# Altium PCB PCB5.PcbDoc (part 10 of 16)
Units mil, origin at the board's own origin, x right, y up, seen from the top; angles counter-clockwise.
Board outline 9210.27 x 4350.4 mil, 4 copper layers (Top Layer, Layer 1, Layer 2, Bottom Layer), stack 23.756 mil thick; 1550 components, 1731 nets, 5196 pads, 1890 vias.
Unrouted connection lines stored in the file: 2462.
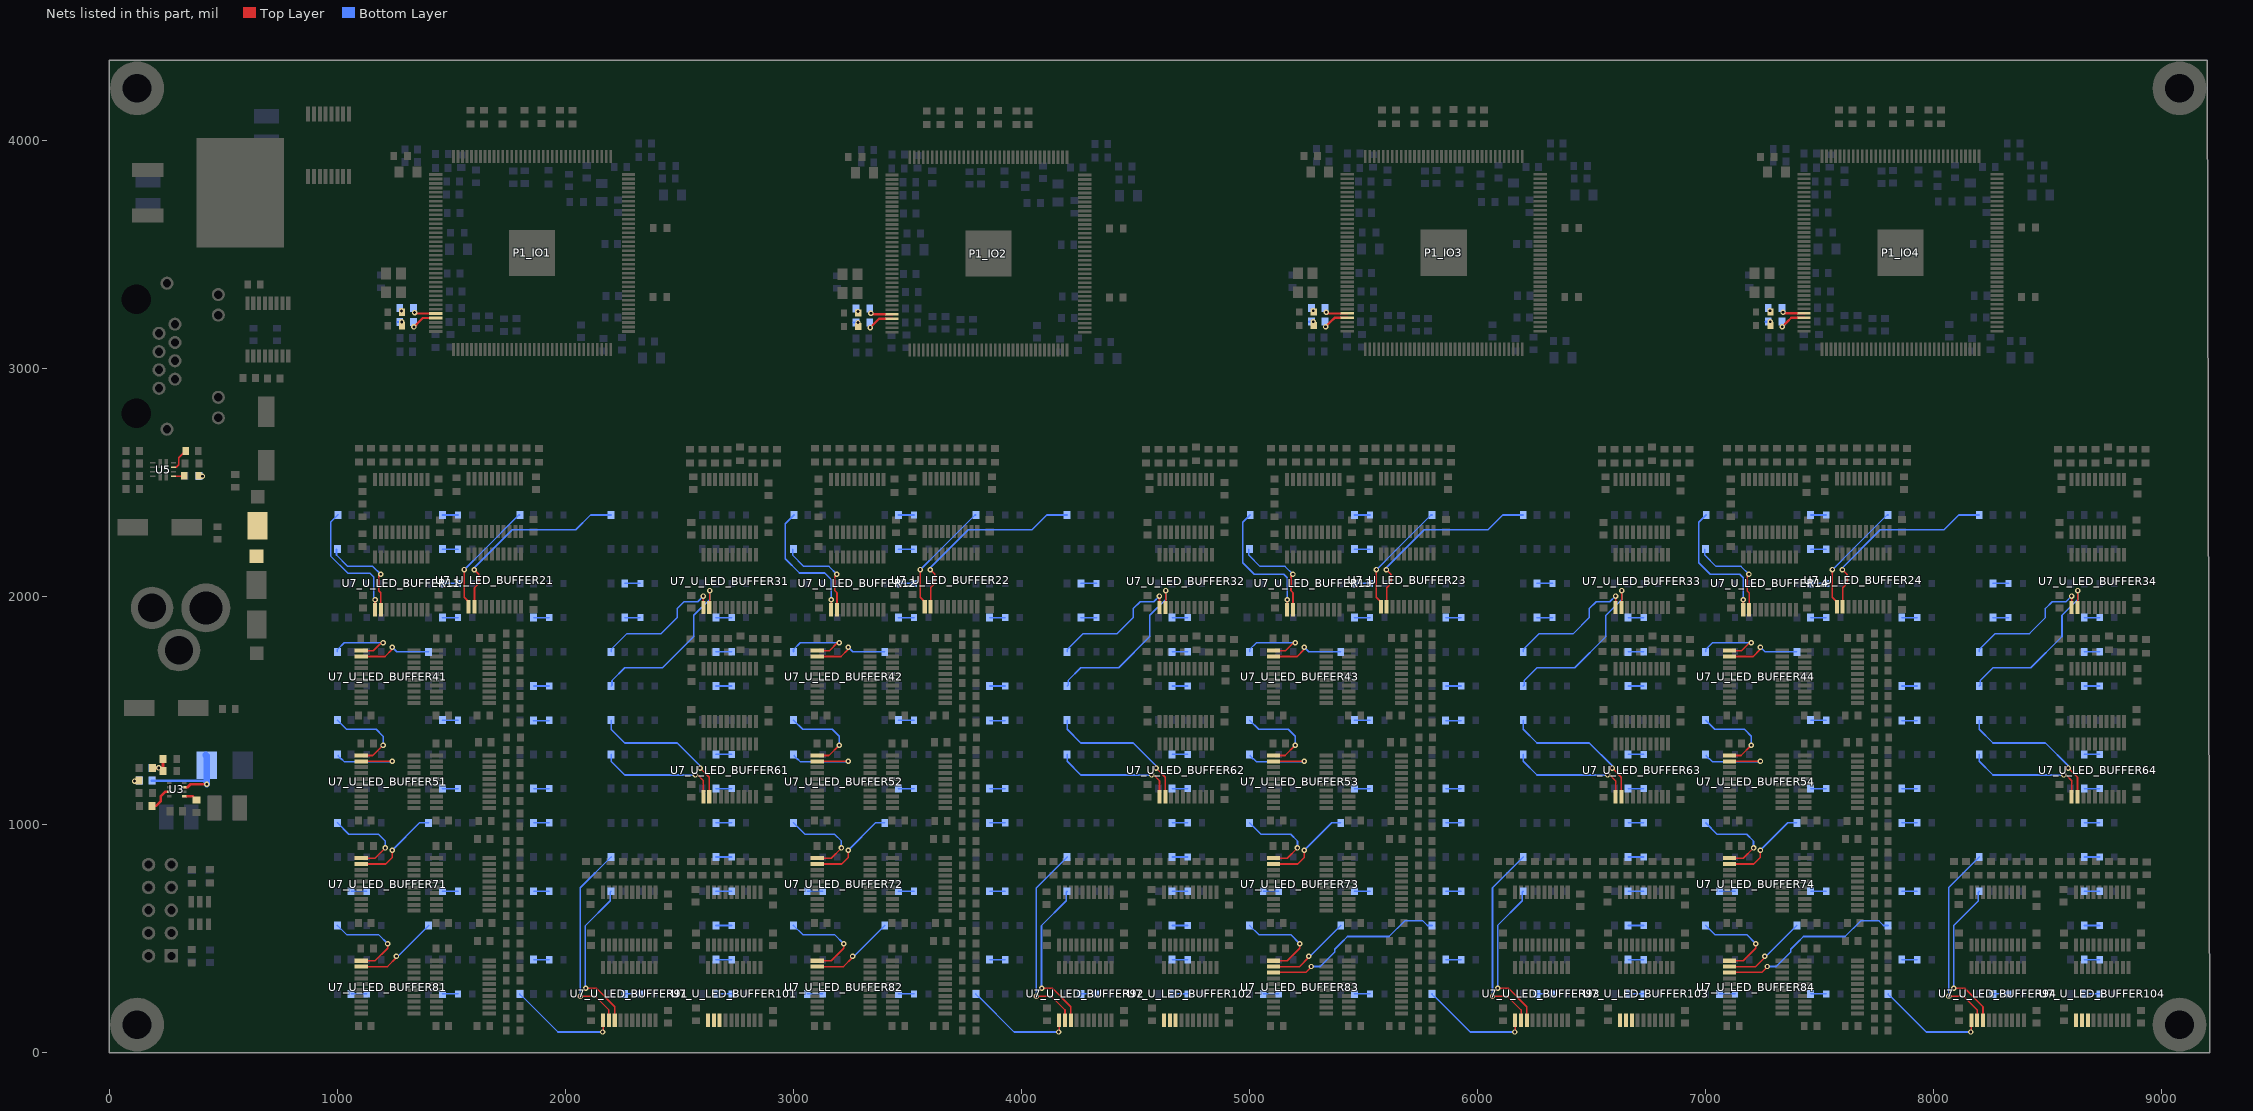
[diagram p12: the nets of this part, all layers, seen from the top]

## Via types
v1: diameter 24, hole 12, Top Layer to Bottom Layer, tented both sides, 1882 vias
v2: diameter 24, hole 12, Top Layer to Bottom Layer, 8 vias

## Nets (pads, with @x,y where several pads share a name; then routed paths per layer and width w, separated by ;. In a path a pad name is that pad's centre, name@x,y a point inside that pad or via, vN(x,y) a via of type N, cw(c..) or ccw(c..) an arc to the next point about the centre after c; other vN are vias at no path point) (continued)
L_OUT6_U_LED_BUFFER83: R27_U_LED_BUFFER83.2 U7_U_LED_BUFFER83.13 | length 806.1
  Top Layer w7: U7_U_LED_BUFFER83.13@5104.96,351.14 5246.91,351.14 5270.63,374.86 v1(5270.63,377.16)
  Bottom Layer w7: v1(5270.63,377.16) 5310.63,377.16 5373.83,440.36 5373.83,452.64 5402.43,481.24 5429.87,508.69 5612.16,508.69 5680.63,577.16 5760.63,577.16 5780.63,557.16 R27_U_LED_BUFFER83.2@5800.63,557.16
L_OUT6_U_LED_BUFFER84: R27_U_LED_BUFFER84.2 U7_U_LED_BUFFER84.13 | length 806.1
  Top Layer w7: U7_U_LED_BUFFER84.13@7104.96,351.14 7246.91,351.14 7270.63,374.86 v1(7270.63,377.16)
  Bottom Layer w7: v1(7270.63,377.16) 7310.63,377.16 7373.83,440.36 7373.83,452.64 7402.43,481.24 7429.87,508.69 7612.16,508.69 7680.63,577.16 7760.63,577.16 7780.63,557.16 R27_U_LED_BUFFER84.2@7800.63,557.16
L_OUT6_U_LED_BUFFER91: R27_U_LED_BUFFER91.2 U7_U_LED_BUFFER91.13 | length 693.2
  Top Layer w7: v1(2089.03,281.55) 2136.24,281.55 2216.66,201.14 U7_U_LED_BUFFER91.13@2216.66,141.5
  Bottom Layer w7: v1(2089.03,281.55) 2088.13,282.45 2088.13,424.97 2088.13,556.48 2196.73,665.09 2196.73,703.27 R27_U_LED_BUFFER91.2@2200.63,707.16
L_OUT6_U_LED_BUFFER92: R27_U_LED_BUFFER92.2 U7_U_LED_BUFFER92.13 | length 693.2
  Top Layer w7: v1(4089.03,281.55) 4136.24,281.55 4216.66,201.14 U7_U_LED_BUFFER92.13@4216.66,141.5
  Bottom Layer w7: v1(4089.03,281.55) 4088.13,282.45 4088.13,424.97 4088.13,556.48 4196.73,665.09 4196.73,703.27 R27_U_LED_BUFFER92.2@4200.63,707.16
L_OUT6_U_LED_BUFFER93: R27_U_LED_BUFFER93.2 U7_U_LED_BUFFER93.13 | length 693.2
  Top Layer w7: v1(6089.03,281.55) 6136.24,281.55 6216.66,201.14 U7_U_LED_BUFFER93.13@6216.66,141.5
  Bottom Layer w7: v1(6089.03,281.55) 6088.13,282.45 6088.13,424.97 6088.13,556.48 6196.73,665.09 6196.73,703.27 R27_U_LED_BUFFER93.2@6200.63,707.16
L_OUT6_U_LED_BUFFER94: R27_U_LED_BUFFER94.2 U7_U_LED_BUFFER94.13 | length 693.2
  Top Layer w7: v1(8089.03,281.55) 8136.24,281.55 8216.66,201.14 U7_U_LED_BUFFER94.13@8216.66,141.5
  Bottom Layer w7: v1(8089.03,281.55) 8088.13,282.45 8088.13,424.97 8088.13,556.48 8196.73,665.09 8196.73,703.27 R27_U_LED_BUFFER94.2@8200.63,707.16
L_OUT6_U_LED_BUFFER101: U7_U_LED_BUFFER101.13
L_OUT6_U_LED_BUFFER102: U7_U_LED_BUFFER102.13
L_OUT6_U_LED_BUFFER103: U7_U_LED_BUFFER103.13
L_OUT6_U_LED_BUFFER104: U7_U_LED_BUFFER104.13
L_OUT7_U_LED_BUFFER11: R45_U_LED_BUFFER11.2 U7_U_LED_BUFFER11.12 | length 417.3
  Top Layer w7: v1(1190.63,2097.16) 1182.26,2088.79 1182.26,2025.11 1191.12,2016.25 U7_U_LED_BUFFER11.12@1191.12,1941.81
  Bottom Layer w7: R45_U_LED_BUFFER11.2@996.43,2207.13 996.43,2181.37 1046.04,2131.76 1156.04,2131.76 v1(1190.63,2097.16)
L_OUT7_U_LED_BUFFER12: R45_U_LED_BUFFER12.2 U7_U_LED_BUFFER12.12 | length 417.3
  Top Layer w7: v1(3190.63,2097.16) 3182.26,2088.79 3182.26,2025.11 3191.12,2016.25 U7_U_LED_BUFFER12.12@3191.12,1941.81
  Bottom Layer w7: R45_U_LED_BUFFER12.2@2996.43,2207.13 2996.43,2181.37 3046.04,2131.76 3156.04,2131.76 v1(3190.63,2097.16)
L_OUT7_U_LED_BUFFER13: R45_U_LED_BUFFER13.2 U7_U_LED_BUFFER13.12 | length 417.3
  Top Layer w7: v1(5190.63,2097.16) 5182.26,2088.79 5182.26,2025.11 5191.12,2016.25 U7_U_LED_BUFFER13.12@5191.12,1941.81
  Bottom Layer w7: R45_U_LED_BUFFER13.2@4996.43,2207.13 4996.43,2181.37 5046.04,2131.76 5156.04,2131.76 v1(5190.63,2097.16)
L_OUT7_U_LED_BUFFER14: R45_U_LED_BUFFER14.2 U7_U_LED_BUFFER14.12 | length 417.3
  Top Layer w7: v1(7190.63,2097.16) 7182.26,2088.79 7182.26,2025.11 7191.12,2016.25 U7_U_LED_BUFFER14.12@7191.12,1941.81
  Bottom Layer w7: R45_U_LED_BUFFER14.2@6996.43,2207.13 6996.43,2181.37 7046.04,2131.76 7156.04,2131.76 v1(7190.63,2097.16)
L_OUT7_U_LED_BUFFER21: R45_U_LED_BUFFER21.2 U7_U_LED_BUFFER21.12 | length 887.3
  Top Layer w7: v1(1600.63,2117.16) 1620.63,2097.16 1620.63,2057.16 1601.66,2038.19 U7_U_LED_BUFFER21.12@1601.66,1954.83
  Bottom Layer w7: v1(1600.63,2117.16) 1595.93,2121.87 1766.7,2292.65 2046.12,2292.65 2110.63,2357.16 R45_U_LED_BUFFER21.2@2200.63,2357.16
L_OUT7_U_LED_BUFFER22: R45_U_LED_BUFFER22.2 U7_U_LED_BUFFER22.12 | length 887.3
  Top Layer w7: v1(3600.63,2117.16) 3620.63,2097.16 3620.63,2057.16 3601.66,2038.19 U7_U_LED_BUFFER22.12@3601.66,1954.83
  Bottom Layer w7: v1(3600.63,2117.16) 3595.93,2121.87 3766.7,2292.65 4046.12,2292.65 4110.63,2357.16 R45_U_LED_BUFFER22.2@4200.63,2357.16
L_OUT7_U_LED_BUFFER23: R45_U_LED_BUFFER23.2 U7_U_LED_BUFFER23.12 | length 887.3
  Top Layer w7: v1(5600.63,2117.16) 5620.63,2097.16 5620.63,2057.16 5601.66,2038.19 U7_U_LED_BUFFER23.12@5601.66,1954.83
  Bottom Layer w7: v1(5600.63,2117.16) 5595.93,2121.87 5766.7,2292.65 6046.12,2292.65 6110.63,2357.16 R45_U_LED_BUFFER23.2@6200.63,2357.16
L_OUT7_U_LED_BUFFER24: R45_U_LED_BUFFER24.2 U7_U_LED_BUFFER24.12 | length 887.3
  Top Layer w7: v1(7600.63,2117.16) 7620.63,2097.16 7620.63,2057.16 7601.66,2038.19 U7_U_LED_BUFFER24.12@7601.66,1954.83
  Bottom Layer w7: v1(7600.63,2117.16) 7595.93,2121.87 7766.7,2292.65 8046.12,2292.65 8110.63,2357.16 R45_U_LED_BUFFER24.2@8200.63,2357.16
L_OUT7_U_LED_BUFFER31: R45_U_LED_BUFFER31.2 U7_U_LED_BUFFER31.12 | length 772.2
  Top Layer w7: U7_U_LED_BUFFER31.12@2631.06,1951.5 2630.63,1951.93 2635.42,1956.71 2632.73,1959.4 v1(2632.73,2025.7)
  Bottom Layer w7: R45_U_LED_BUFFER31.2@2200.63,1607.16 2204.53,1611.06 2204.53,1631.06 2260.63,1687.16 2426.53,1687.16 2563.28,1823.92 2563.28,1917.16 2632.73,1986.61 v1(2632.73,2025.7)
L_OUT7_U_LED_BUFFER32: R45_U_LED_BUFFER32.2 U7_U_LED_BUFFER32.12 | length 772.2
  Top Layer w7: U7_U_LED_BUFFER32.12@4631.06,1951.5 4630.63,1951.93 4635.42,1956.71 4632.73,1959.4 v1(4632.73,2025.7)
  Bottom Layer w7: R45_U_LED_BUFFER32.2@4200.63,1607.16 4204.53,1611.06 4204.53,1631.06 4260.63,1687.16 4426.53,1687.16 4563.28,1823.92 4563.28,1917.16 4632.73,1986.61 v1(4632.73,2025.7)
L_OUT7_U_LED_BUFFER33: R45_U_LED_BUFFER33.2 U7_U_LED_BUFFER33.12 | length 772.2
  Top Layer w7: U7_U_LED_BUFFER33.12@6631.06,1951.5 6630.63,1951.93 6635.42,1956.71 6632.73,1959.4 v1(6632.73,2025.7)
  Bottom Layer w7: R45_U_LED_BUFFER33.2@6200.63,1607.16 6204.53,1611.06 6204.53,1631.06 6260.63,1687.16 6426.53,1687.16 6563.28,1823.92 6563.28,1917.16 6632.73,1986.61 v1(6632.73,2025.7)
L_OUT7_U_LED_BUFFER34: R45_U_LED_BUFFER34.2 U7_U_LED_BUFFER34.12 | length 772.2
  Top Layer w7: U7_U_LED_BUFFER34.12@8631.06,1951.5 8630.63,1951.93 8635.42,1956.71 8632.73,1959.4 v1(8632.73,2025.7)
  Bottom Layer w7: R45_U_LED_BUFFER34.2@8200.63,1607.16 8204.53,1611.06 8204.53,1631.06 8260.63,1687.16 8426.53,1687.16 8563.28,1823.92 8563.28,1917.16 8632.73,1986.61 v1(8632.73,2025.7)
L_OUT7_U_LED_BUFFER41: R45_U_LED_BUFFER41.2 U7_U_LED_BUFFER41.12 | length 326
  Top Layer w7: U7_U_LED_BUFFER41.12@1104.96,1736.73 1209.25,1736.73 1240.63,1768.11 v1(1240.63,1777.16)
  Bottom Layer w7: v1(1240.63,1777.16) 1260.63,1757.16 R45_U_LED_BUFFER41.2@1400.63,1757.16
L_OUT7_U_LED_BUFFER42: R45_U_LED_BUFFER42.2 U7_U_LED_BUFFER42.12 | length 326
  Top Layer w7: U7_U_LED_BUFFER42.12@3104.96,1736.73 3209.25,1736.73 3240.63,1768.11 v1(3240.63,1777.16)
  Bottom Layer w7: v1(3240.63,1777.16) 3260.63,1757.16 R45_U_LED_BUFFER42.2@3400.63,1757.16
L_OUT7_U_LED_BUFFER43: R45_U_LED_BUFFER43.2 U7_U_LED_BUFFER43.12 | length 326
  Top Layer w7: U7_U_LED_BUFFER43.12@5104.96,1736.73 5209.25,1736.73 5240.63,1768.11 v1(5240.63,1777.16)
  Bottom Layer w7: v1(5240.63,1777.16) 5260.63,1757.16 R45_U_LED_BUFFER43.2@5400.63,1757.16
L_OUT7_U_LED_BUFFER44: R45_U_LED_BUFFER44.2 U7_U_LED_BUFFER44.12 | length 326
  Top Layer w7: U7_U_LED_BUFFER44.12@7104.96,1736.73 7209.25,1736.73 7240.63,1768.11 v1(7240.63,1777.16)
  Bottom Layer w7: v1(7240.63,1777.16) 7260.63,1757.16 R45_U_LED_BUFFER44.2@7400.63,1757.16
L_OUT7_U_LED_BUFFER51: R45_U_LED_BUFFER51.2 U7_U_LED_BUFFER51.12 | length 387.2
  Top Layer w7: U7_U_LED_BUFFER51.12@1104.96,1276.73 1240.2,1276.73 v1(1240.63,1277.16)
  Bottom Layer w7: R45_U_LED_BUFFER51.2@1003.54,1302.32 1003.54,1299.82 1015.04,1288.32 1017.54,1288.32 1031.54,1274.32 1211.41,1274.32 1237.79,1274.32 v1(1240.63,1277.16)
L_OUT7_U_LED_BUFFER52: R45_U_LED_BUFFER52.2 U7_U_LED_BUFFER52.12 | length 387.2
  Top Layer w7: U7_U_LED_BUFFER52.12@3104.96,1276.73 3240.2,1276.73 v1(3240.63,1277.16)
  Bottom Layer w7: R45_U_LED_BUFFER52.2@3003.54,1302.32 3003.54,1299.82 3015.04,1288.32 3017.54,1288.32 3031.54,1274.32 3211.41,1274.32 3237.79,1274.32 v1(3240.63,1277.16)
L_OUT7_U_LED_BUFFER53: R45_U_LED_BUFFER53.2 U7_U_LED_BUFFER53.12 | length 387.2
  Top Layer w7: U7_U_LED_BUFFER53.12@5104.96,1276.73 5240.2,1276.73 v1(5240.63,1277.16)
  Bottom Layer w7: R45_U_LED_BUFFER53.2@5003.54,1302.32 5003.54,1299.82 5015.04,1288.32 5017.54,1288.32 5031.54,1274.32 5211.41,1274.32 5237.79,1274.32 v1(5240.63,1277.16)
L_OUT7_U_LED_BUFFER54: R45_U_LED_BUFFER54.2 U7_U_LED_BUFFER54.12 | length 387.2
  Top Layer w7: U7_U_LED_BUFFER54.12@7104.96,1276.73 7240.2,1276.73 v1(7240.63,1277.16)
  Bottom Layer w7: R45_U_LED_BUFFER54.2@7003.54,1302.32 7003.54,1299.82 7015.04,1288.32 7017.54,1288.32 7031.54,1274.32 7211.41,1274.32 7237.79,1274.32 v1(7240.63,1277.16)
L_OUT7_U_LED_BUFFER61: R45_U_LED_BUFFER61.2 U7_U_LED_BUFFER61.12 | length 648.6
  Top Layer w7: v1(2590.63,1247.16) 2631.06,1206.73 U7_U_LED_BUFFER61.12@2631.06,1121.5
  Bottom Layer w7: R45_U_LED_BUFFER61.2@2200.63,1457.16 2200.63,1417.16 2260.63,1357.16 2490.47,1357.16 2590.63,1257 v1(2590.63,1247.16)
L_OUT7_U_LED_BUFFER62: R45_U_LED_BUFFER62.2 U7_U_LED_BUFFER62.12 | length 648.6
  Top Layer w7: v1(4590.63,1247.16) 4631.06,1206.73 U7_U_LED_BUFFER62.12@4631.06,1121.5
  Bottom Layer w7: R45_U_LED_BUFFER62.2@4200.63,1457.16 4200.63,1417.16 4260.63,1357.16 4490.47,1357.16 4590.63,1257 v1(4590.63,1247.16)
L_OUT7_U_LED_BUFFER63: R45_U_LED_BUFFER63.2 U7_U_LED_BUFFER63.12 | length 648.6
  Top Layer w7: v1(6590.63,1247.16) 6631.06,1206.73 U7_U_LED_BUFFER63.12@6631.06,1121.5
  Bottom Layer w7: R45_U_LED_BUFFER63.2@6200.63,1457.16 6200.63,1417.16 6260.63,1357.16 6490.47,1357.16 6590.63,1257 v1(6590.63,1247.16)
L_OUT7_U_LED_BUFFER64: R45_U_LED_BUFFER64.2 U7_U_LED_BUFFER64.12 | length 648.6
  Top Layer w7: v1(8590.63,1247.16) 8631.06,1206.73 U7_U_LED_BUFFER64.12@8631.06,1121.5
  Bottom Layer w7: R45_U_LED_BUFFER64.2@8200.63,1457.16 8200.63,1417.16 8260.63,1357.16 8490.47,1357.16 8590.63,1257 v1(8590.63,1247.16)
L_OUT7_U_LED_BUFFER71: R45_U_LED_BUFFER71.2 U7_U_LED_BUFFER71.12 | length 389
  Top Layer w7: U7_U_LED_BUFFER71.12@1104.96,826.73 1212.02,826.73 1240.63,855.34 v1(1240.63,887.16)
  Bottom Layer w7: v1(1240.63,887.16) 1360.63,1007.16 R45_U_LED_BUFFER71.2@1400.63,1007.16
L_OUT7_U_LED_BUFFER72: R45_U_LED_BUFFER72.2 U7_U_LED_BUFFER72.12 | length 389
  Top Layer w7: U7_U_LED_BUFFER72.12@3104.96,826.73 3212.02,826.73 3240.63,855.34 v1(3240.63,887.16)
  Bottom Layer w7: v1(3240.63,887.16) 3360.63,1007.16 R45_U_LED_BUFFER72.2@3400.63,1007.16
L_OUT7_U_LED_BUFFER73: R45_U_LED_BUFFER73.2 U7_U_LED_BUFFER73.12 | length 389
  Top Layer w7: U7_U_LED_BUFFER73.12@5104.96,826.73 5212.02,826.73 5240.63,855.34 v1(5240.63,887.16)
  Bottom Layer w7: v1(5240.63,887.16) 5360.63,1007.16 R45_U_LED_BUFFER73.2@5400.63,1007.16
L_OUT7_U_LED_BUFFER74: R45_U_LED_BUFFER74.2 U7_U_LED_BUFFER74.12 | length 389
  Top Layer w7: U7_U_LED_BUFFER74.12@7104.96,826.73 7212.02,826.73 7240.63,855.34 v1(7240.63,887.16)
  Bottom Layer w7: v1(7240.63,887.16) 7360.63,1007.16 R45_U_LED_BUFFER74.2@7400.63,1007.16
L_OUT7_U_LED_BUFFER81: R45_U_LED_BUFFER81.2 U7_U_LED_BUFFER81.12 | length 367.7
  Top Layer w7: U7_U_LED_BUFFER81.12@1104.96,376.73 1220.2,376.73 v1@1260.63,417.16
  Bottom Layer w7: v1@1262.53,419.07 R45_U_LED_BUFFER81.2@1400.63,557.16
  other v1: 1259.5,422.1
L_OUT7_U_LED_BUFFER82: R45_U_LED_BUFFER82.2 U7_U_LED_BUFFER82.12 | length 367.7
  Top Layer w7: U7_U_LED_BUFFER82.12@3104.96,376.73 3220.2,376.73 v1@3260.63,417.16
  Bottom Layer w7: v1@3262.53,419.07 R45_U_LED_BUFFER82.2@3400.63,557.16
  other v1: 3259.5,422.1
L_OUT7_U_LED_BUFFER83: R45_U_LED_BUFFER83.2 U7_U_LED_BUFFER83.12 | length 367.7
  Top Layer w7: U7_U_LED_BUFFER83.12@5104.96,376.73 5220.2,376.73 v1@5260.63,417.16
  Bottom Layer w7: v1@5262.53,419.07 R45_U_LED_BUFFER83.2@5400.63,557.16
  other v1: 5259.5,422.1
L_OUT7_U_LED_BUFFER84: R45_U_LED_BUFFER84.2 U7_U_LED_BUFFER84.12 | length 367.7
  Top Layer w7: U7_U_LED_BUFFER84.12@7104.96,376.73 7220.2,376.73 v1@7260.63,417.16
  Bottom Layer w7: v1@7262.53,419.07 R45_U_LED_BUFFER84.2@7400.63,557.16
  other v1: 7259.5,422.1
L_OUT7_U_LED_BUFFER91: R45_U_LED_BUFFER91.2 U7_U_LED_BUFFER91.12 | length 862
  Top Layer w7: v1(2065.88,245.89) 2131.91,245.89 2191.06,186.73 U7_U_LED_BUFFER91.12@2191.06,141.5
  Bottom Layer w7: v1(2065.88,245.89) 2065.88,722.41 R45_U_LED_BUFFER91.2@2200.63,857.16
L_OUT7_U_LED_BUFFER92: R45_U_LED_BUFFER92.2 U7_U_LED_BUFFER92.12 | length 862
  Top Layer w7: v1(4065.88,245.89) 4131.91,245.89 4191.06,186.73 U7_U_LED_BUFFER92.12@4191.06,141.5
  Bottom Layer w7: v1(4065.88,245.89) 4065.88,722.41 R45_U_LED_BUFFER92.2@4200.63,857.16
L_OUT7_U_LED_BUFFER93: R45_U_LED_BUFFER93.2 U7_U_LED_BUFFER93.12 | length 862
  Top Layer w7: v1(6065.88,245.89) 6131.91,245.89 6191.06,186.73 U7_U_LED_BUFFER93.12@6191.06,141.5
  Bottom Layer w7: v1(6065.88,245.89) 6065.88,722.41 R45_U_LED_BUFFER93.2@6200.63,857.16
L_OUT7_U_LED_BUFFER94: R45_U_LED_BUFFER94.2 U7_U_LED_BUFFER94.12 | length 862
  Top Layer w7: v1(8065.88,245.89) 8131.91,245.89 8191.06,186.73 U7_U_LED_BUFFER94.12@8191.06,141.5
  Bottom Layer w7: v1(8065.88,245.89) 8065.88,722.41 R45_U_LED_BUFFER94.2@8200.63,857.16
L_OUT7_U_LED_BUFFER101: U7_U_LED_BUFFER101.12
L_OUT7_U_LED_BUFFER102: U7_U_LED_BUFFER102.12
L_OUT7_U_LED_BUFFER103: U7_U_LED_BUFFER103.12
L_OUT7_U_LED_BUFFER104: U7_U_LED_BUFFER104.12
L_OUT8_U_LED_BUFFER11: R46_U_LED_BUFFER11.2 U7_U_LED_BUFFER11.11 | length 567.5
  Top Layer w7: U7_U_LED_BUFFER11.11@1165.5,1941.84 v1@1165.5,1985.23 ; v1(1165.47,1985.26) v1@1165.53,1985.26
  Bottom Layer w7: R46_U_LED_BUFFER11.2@1003.33,2357.99 970.63,2325.29 970.63,2177.16 1046.51,2101.29 1143.82,2101.29 1151.92,2093.19 1160.63,2084.48 1160.63,1990.1 v1(1165.47,1985.26)
L_OUT8_U_LED_BUFFER12: R46_U_LED_BUFFER12.2 U7_U_LED_BUFFER12.11 | length 580.1
  Top Layer w7: U7_U_LED_BUFFER12.11@3165.5,1941.84 v1(3165.53,1985.26) ; v1@3165.47,1985.26 v1(3165.53,1985.26)
  Bottom Layer w7: R46_U_LED_BUFFER12.2@3003.33,2357.99 2964.57,2319.22 2964.57,2165.35 3026.95,2102.97 3137.19,2102.97 3165.53,2074.63 v1(3165.53,1985.26)
L_OUT8_U_LED_BUFFER13: R46_U_LED_BUFFER13.2 U7_U_LED_BUFFER13.11 | length 586.6
  Top Layer w7: U7_U_LED_BUFFER13.11@5165.5,1941.84 v1@5165.5,1985.23 ; v1(5165.47,1985.26) v1@5165.53,1985.26
  Bottom Layer w7: R46_U_LED_BUFFER13.2@5003.33,2357.99 4970.63,2325.29 4970.63,2147.3 5020.76,2097.17 5150.63,2097.17 5165.47,2082.32 v1(5165.47,1985.26)
L_OUT8_U_LED_BUFFER14: R46_U_LED_BUFFER14.2 U7_U_LED_BUFFER14.11 | length 586.6
  Top Layer w7: v1(7165.18,1985.16) v1(7165.18,1985.16) ; U7_U_LED_BUFFER14.11@7165.21,1941.75 v1(7165.18,1985.16)
  Bottom Layer w7: R46_U_LED_BUFFER14.2@7003.04,2357.89 6970.34,2325.2 6970.34,2147.21 7020.47,2097.07 7150.34,2097.07 7165.18,2082.23 v1(7165.18,1985.16)
L_OUT8_U_LED_BUFFER21: R46_U_LED_BUFFER21.2 U7_U_LED_BUFFER21.11 | length 514.5
  Top Layer w7: v1@1556.37,2118.07 1556.37,1996.45 1576.07,1976.75 U7_U_LED_BUFFER21.11@1576.07,1954.83
  Bottom Layer w7: v1(1556.73,2117.64) 1640.63,2201.54 1796.25,2357.16 R46_U_LED_BUFFER21.2@1800.63,2357.16
L_OUT8_U_LED_BUFFER22: R46_U_LED_BUFFER22.2 U7_U_LED_BUFFER22.11 | length 514.5
  Top Layer w7: v1@3556.37,2118.07 3556.37,1996.45 3576.07,1976.75 U7_U_LED_BUFFER22.11@3576.07,1954.83
  Bottom Layer w7: v1(3556.73,2117.64) 3640.63,2201.54 3796.25,2357.16 R46_U_LED_BUFFER22.2@3800.63,2357.16
L_OUT8_U_LED_BUFFER23: R46_U_LED_BUFFER23.2 U7_U_LED_BUFFER23.11 | length 514.5
  Top Layer w7: v1@5556.37,2118.07 5556.37,1996.45 5576.07,1976.75 U7_U_LED_BUFFER23.11@5576.07,1954.83
  Bottom Layer w7: v1(5556.73,2117.64) 5640.63,2201.54 5796.25,2357.16 R46_U_LED_BUFFER23.2@5800.63,2357.16
L_OUT8_U_LED_BUFFER24: R46_U_LED_BUFFER24.2 U7_U_LED_BUFFER24.11 | length 514.5
  Top Layer w7: v1@7556.37,2118.07 7556.37,1996.45 7576.07,1976.75 U7_U_LED_BUFFER24.11@7576.07,1954.83
  Bottom Layer w7: v1(7556.73,2117.64) 7640.63,2201.54 7796.25,2357.16 R46_U_LED_BUFFER24.2@7800.63,2357.16
L_OUT8_U_LED_BUFFER31: R46_U_LED_BUFFER31.2 U7_U_LED_BUFFER31.11 | length 585.1
  Top Layer w7: U7_U_LED_BUFFER31.11@2605.47,1951.5 v1@2605.47,2001.25
  Bottom Layer w7: R46_U_LED_BUFFER31.2@2200.63,1757.16 2200.63,1767.16 2270.63,1837.16 2420.63,1837.16 2490.63,1907.16 2490.63,1947.16 2520.63,1977.16 2580.63,1977.16 v1(2605.32,2001.86)
L_OUT8_U_LED_BUFFER32: R46_U_LED_BUFFER32.2 U7_U_LED_BUFFER32.11 | length 585.1
  Top Layer w7: U7_U_LED_BUFFER32.11@4605.47,1951.5 v1@4605.47,2001.25
  Bottom Layer w7: R46_U_LED_BUFFER32.2@4200.63,1757.16 4200.63,1767.16 4270.63,1837.16 4420.63,1837.16 4490.63,1907.16 4490.63,1947.16 4520.63,1977.16 4580.63,1977.16 v1(4605.32,2001.86)
L_OUT8_U_LED_BUFFER33: R46_U_LED_BUFFER33.2 U7_U_LED_BUFFER33.11 | length 585.1
  Top Layer w7: U7_U_LED_BUFFER33.11@6605.47,1951.5 v1@6605.47,2001.25
  Bottom Layer w7: R46_U_LED_BUFFER33.2@6200.63,1757.16 6200.63,1767.16 6270.63,1837.16 6420.63,1837.16 6490.63,1907.16 6490.63,1947.16 6520.63,1977.16 6580.63,1977.16 v1(6605.32,2001.86)
L_OUT8_U_LED_BUFFER34: R46_U_LED_BUFFER34.2 U7_U_LED_BUFFER34.11 | length 585.1
  Top Layer w7: U7_U_LED_BUFFER34.11@8605.47,1951.5 v1@8605.47,2001.25
  Bottom Layer w7: R46_U_LED_BUFFER34.2@8200.63,1757.16 8200.63,1767.16 8270.63,1837.16 8420.63,1837.16 8490.63,1907.16 8490.63,1947.16 8520.63,1977.16 8580.63,1977.16 v1(8605.32,2001.86)
L_OUT8_U_LED_BUFFER41: R46_U_LED_BUFFER41.2 U7_U_LED_BUFFER41.11 | length 332.5
  Top Layer w7: U7_U_LED_BUFFER41.11@1104.96,1762.32 1158.13,1762.32 1192.97,1797.16 v1(1200.63,1797.16)
  Bottom Layer w7: R46_U_LED_BUFFER41.2@1000.63,1757.16 1000.63,1767.16 1030.63,1797.16 v1(1200.63,1797.16)
L_OUT8_U_LED_BUFFER42: R46_U_LED_BUFFER42.2 U7_U_LED_BUFFER42.11 | length 332.5
  Top Layer w7: U7_U_LED_BUFFER42.11@3104.96,1762.32 3158.13,1762.32 3192.97,1797.16 v1(3200.63,1797.16)
  Bottom Layer w7: R46_U_LED_BUFFER42.2@3000.63,1757.16 3000.63,1767.16 3030.63,1797.16 v1(3200.63,1797.16)
L_OUT8_U_LED_BUFFER43: R46_U_LED_BUFFER43.2 U7_U_LED_BUFFER43.11 | length 332.5
  Top Layer w7: U7_U_LED_BUFFER43.11@5104.96,1762.32 5158.13,1762.32 5192.97,1797.16 v1(5200.63,1797.16)
  Bottom Layer w7: R46_U_LED_BUFFER43.2@5000.63,1757.16 5000.63,1767.16 5030.63,1797.16 v1(5200.63,1797.16)
L_OUT8_U_LED_BUFFER44: R46_U_LED_BUFFER44.2 U7_U_LED_BUFFER44.11 | length 332.5
  Top Layer w7: U7_U_LED_BUFFER44.11@7104.96,1762.32 7158.13,1762.32 7192.97,1797.16 v1(7200.63,1797.16)
  Bottom Layer w7: R46_U_LED_BUFFER44.2@7000.63,1757.16 7000.63,1767.16 7030.63,1797.16 v1(7200.63,1797.16)
L_OUT8_U_LED_BUFFER51: R46_U_LED_BUFFER51.2 U7_U_LED_BUFFER51.11 | length 383.2
  Top Layer w7: U7_U_LED_BUFFER51.11@1104.96,1302.32 1155.79,1302.32 v1(1200.63,1347.16)
  Bottom Layer w7: R46_U_LED_BUFFER51.2@1000.63,1457.16 1040.63,1417.16 1170.63,1417.16 1200.63,1387.16 v1(1200.63,1347.16)
L_OUT8_U_LED_BUFFER52: R46_U_LED_BUFFER52.2 U7_U_LED_BUFFER52.11 | length 383.2
  Top Layer w7: U7_U_LED_BUFFER52.11@3104.96,1302.32 3155.79,1302.32 v1(3200.63,1347.16)
  Bottom Layer w7: R46_U_LED_BUFFER52.2@3000.63,1457.16 3040.63,1417.16 3170.63,1417.16 3200.63,1387.16 v1(3200.63,1347.16)
L_OUT8_U_LED_BUFFER53: R46_U_LED_BUFFER53.2 U7_U_LED_BUFFER53.11 | length 383.2
  Top Layer w7: U7_U_LED_BUFFER53.11@5104.96,1302.32 5155.79,1302.32 v1(5200.63,1347.16)
  Bottom Layer w7: R46_U_LED_BUFFER53.2@5000.63,1457.16 5040.63,1417.16 5170.63,1417.16 5200.63,1387.16 v1(5200.63,1347.16)
L_OUT8_U_LED_BUFFER54: R46_U_LED_BUFFER54.2 U7_U_LED_BUFFER54.11 | length 383.2
  Top Layer w7: U7_U_LED_BUFFER54.11@7104.96,1302.32 7155.79,1302.32 v1(7200.63,1347.16)
  Bottom Layer w7: R46_U_LED_BUFFER54.2@7000.63,1457.16 7040.63,1417.16 7170.63,1417.16 7200.63,1387.16 v1(7200.63,1347.16)
L_OUT8_U_LED_BUFFER61: R46_U_LED_BUFFER61.2 U7_U_LED_BUFFER61.11 | length 540.8
  Top Layer w7: v1(2570.63,1217.16) 2580.63,1217.16 2605.47,1192.32 U7_U_LED_BUFFER61.11@2605.47,1121.5
  Bottom Layer w7: R46_U_LED_BUFFER61.2@2200.63,1307.16 2200.63,1277.16 2260.63,1217.16 v1(2570.63,1217.16)
L_OUT8_U_LED_BUFFER62: R46_U_LED_BUFFER62.2 U7_U_LED_BUFFER62.11 | length 540.8
  Top Layer w7: v1(4570.63,1217.16) 4580.63,1217.16 4605.47,1192.32 U7_U_LED_BUFFER62.11@4605.47,1121.5
  Bottom Layer w7: R46_U_LED_BUFFER62.2@4200.63,1307.16 4200.63,1277.16 4260.63,1217.16 v1(4570.63,1217.16)
L_OUT8_U_LED_BUFFER63: R46_U_LED_BUFFER63.2 U7_U_LED_BUFFER63.11 | length 540.8
  Top Layer w7: v1(6570.63,1217.16) 6580.63,1217.16 6605.47,1192.32 U7_U_LED_BUFFER63.11@6605.47,1121.5
  Bottom Layer w7: R46_U_LED_BUFFER63.2@6200.63,1307.16 6200.63,1277.16 6260.63,1217.16 v1(6570.63,1217.16)
L_OUT8_U_LED_BUFFER64: R46_U_LED_BUFFER64.2 U7_U_LED_BUFFER64.11 | length 540.8
  Top Layer w7: v1(8570.63,1217.16) 8580.63,1217.16 8605.47,1192.32 U7_U_LED_BUFFER64.11@8605.47,1121.5
  Bottom Layer w7: R46_U_LED_BUFFER64.2@8200.63,1307.16 8200.63,1277.16 8260.63,1217.16 v1(8570.63,1217.16)
L_OUT8_U_LED_BUFFER71: R46_U_LED_BUFFER71.2 U7_U_LED_BUFFER71.11 | length 397.4
  Top Layer w7: U7_U_LED_BUFFER71.11@1104.96,852.32 1165.79,852.32 v1(1210.63,897.16)
  Bottom Layer w7: R46_U_LED_BUFFER71.2@1000.63,1007.16 1050.63,957.16 1180.63,957.16 1210.63,927.16 v1(1210.63,897.16)
L_OUT8_U_LED_BUFFER72: R46_U_LED_BUFFER72.2 U7_U_LED_BUFFER72.11 | length 397.4
  Top Layer w7: U7_U_LED_BUFFER72.11@3104.96,852.32 3165.79,852.32 v1(3210.63,897.16)
  Bottom Layer w7: R46_U_LED_BUFFER72.2@3000.63,1007.16 3050.63,957.16 3180.63,957.16 3210.63,927.16 v1(3210.63,897.16)